# Altium PCB SDC.PcbDoc (part 1 of 3)
Units mm, origin at the board's own origin, x right, y up, seen from the top; angles counter-clockwise.
Board outline 100 x 160 mm, 4 copper layers (Top Layer, Signal Layer 1, Signal Layer 2, Bottom Layer), stack 0.778 mm thick; 295 components, 268 nets, 1347 pads, 611 vias.
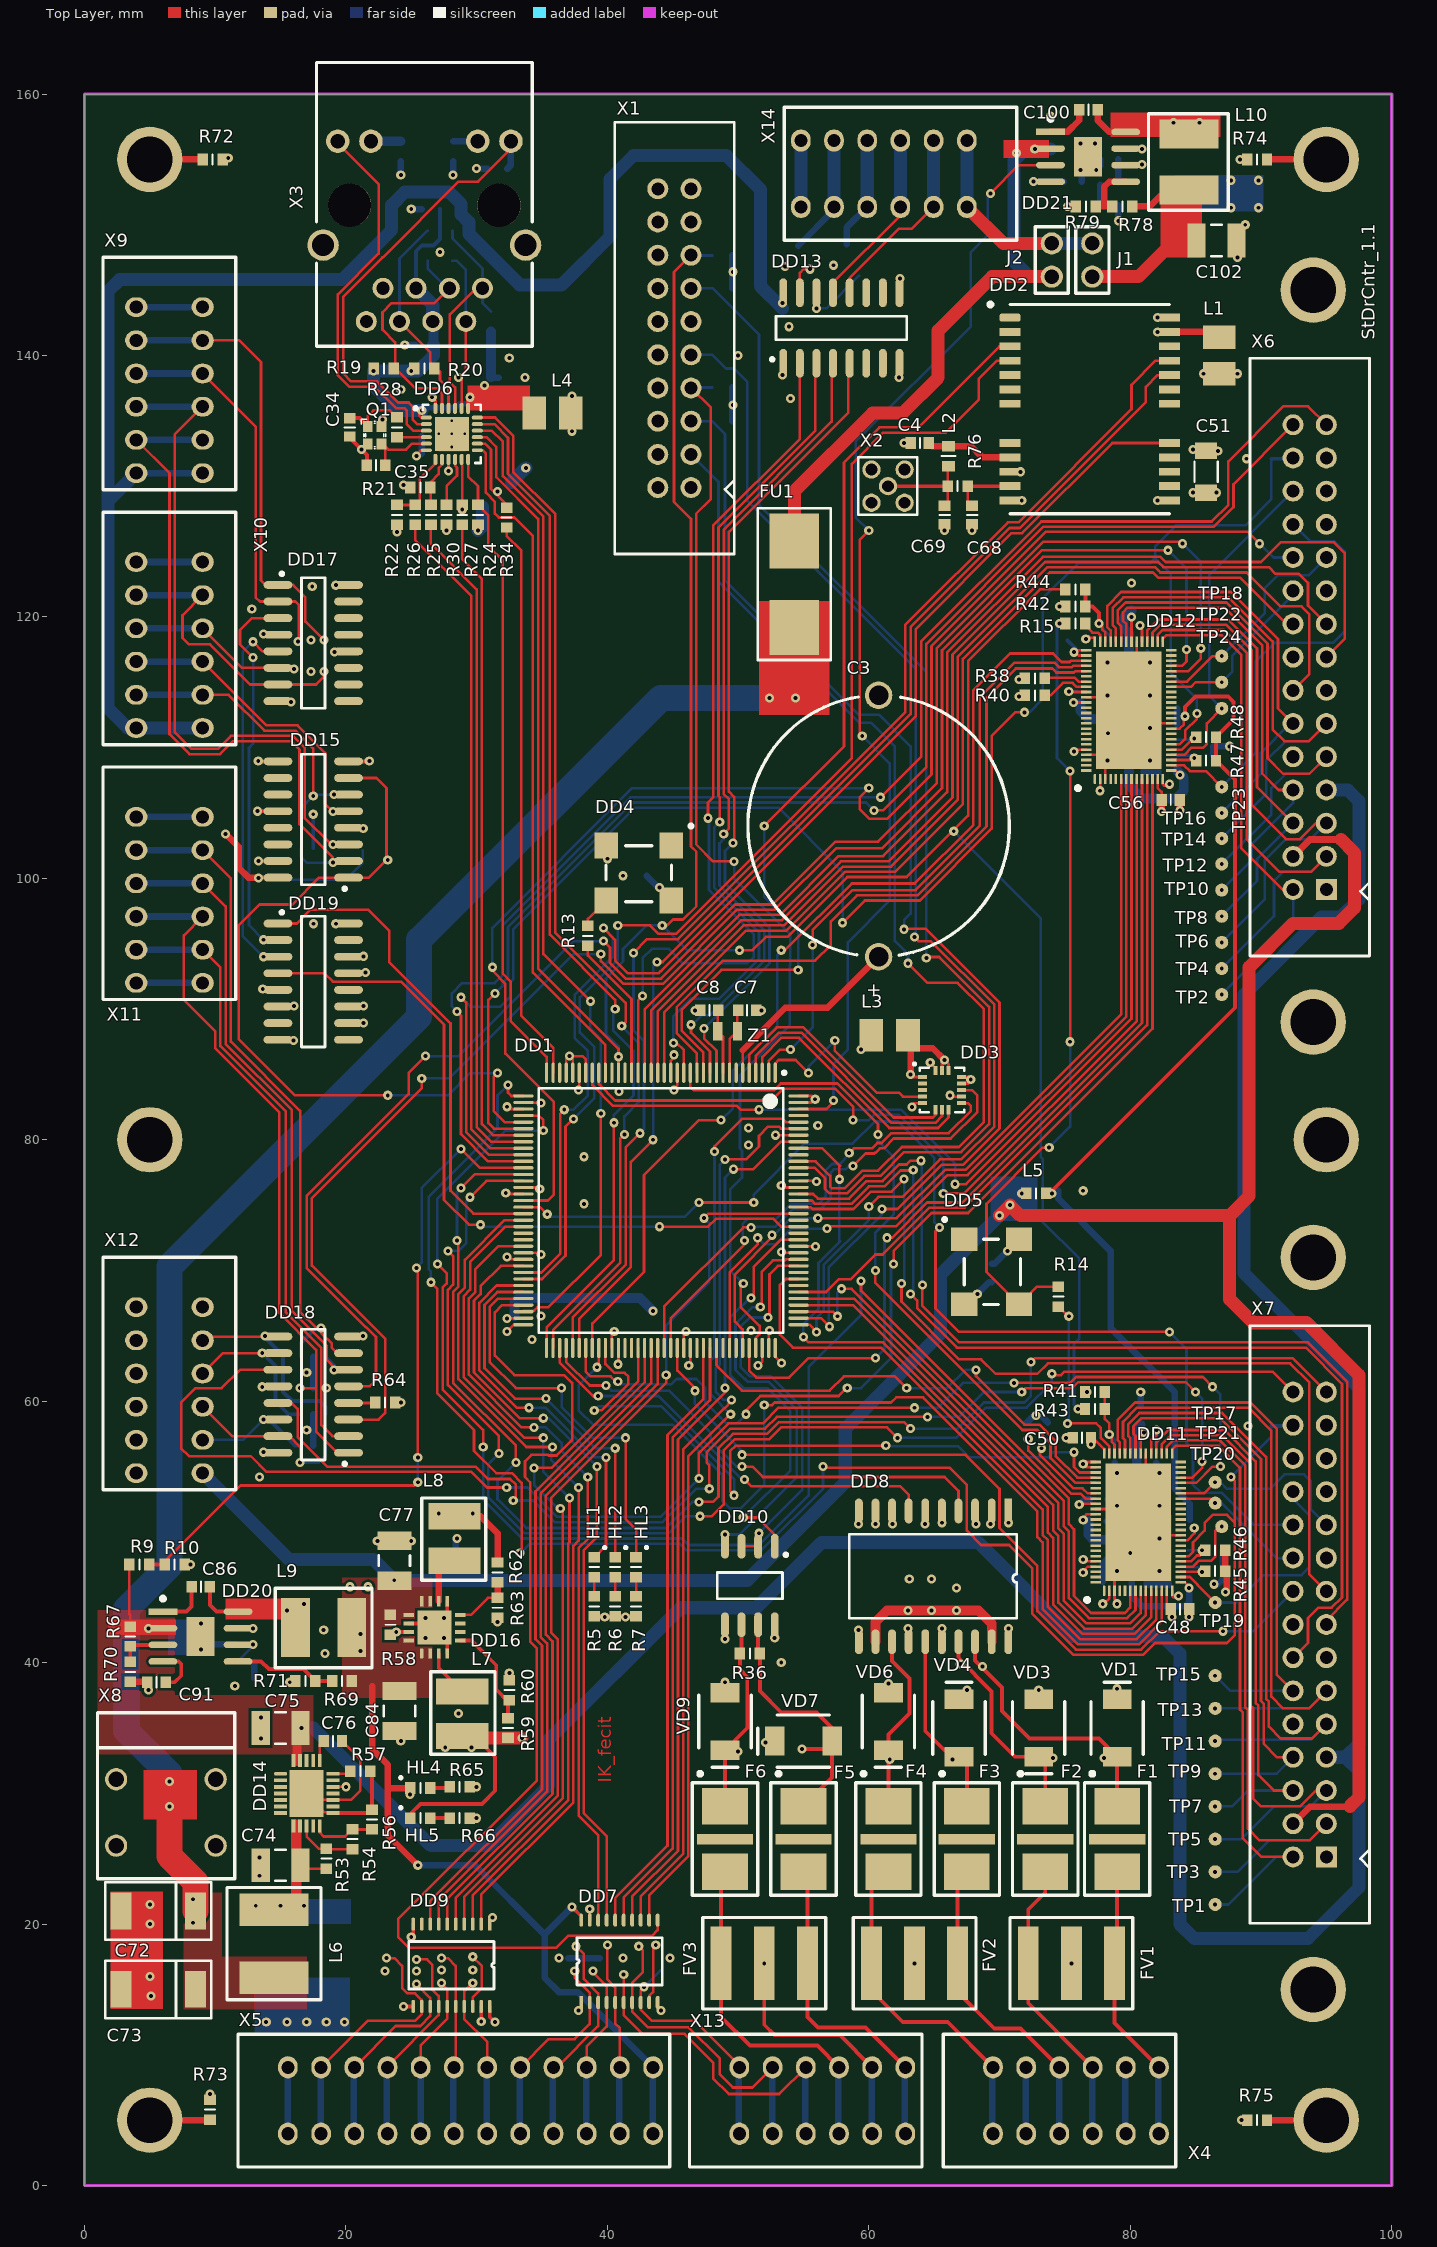
[diagram p0: Top Layer view]
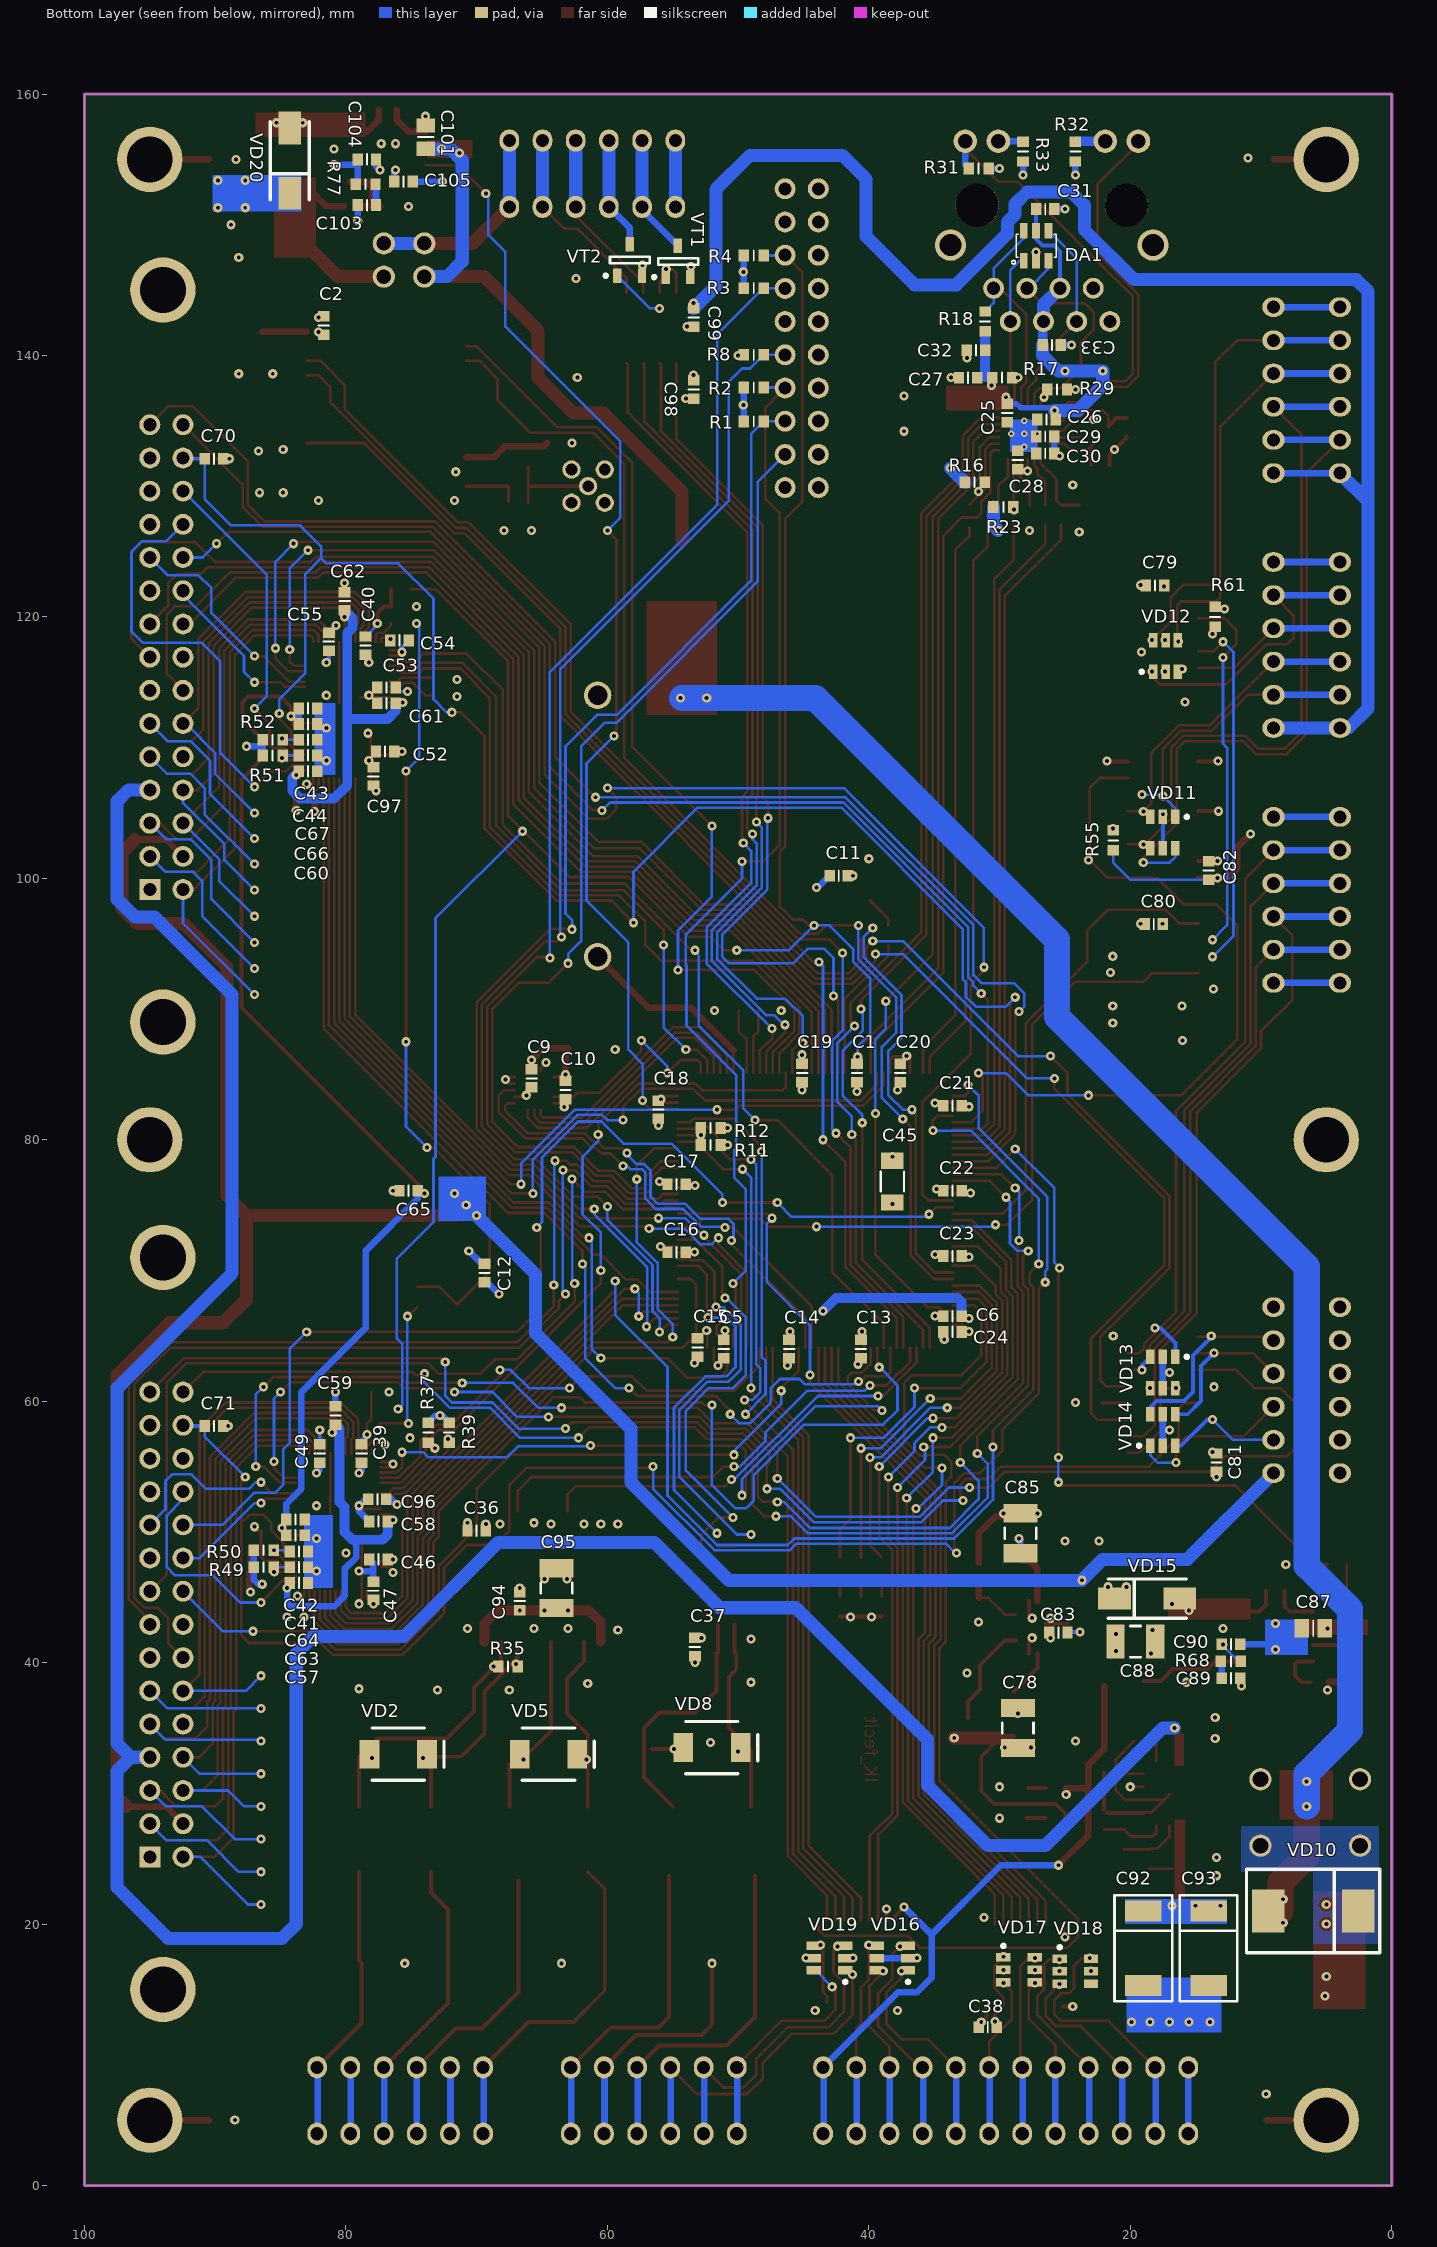
[diagram p1: Bottom Layer view, seen from below]
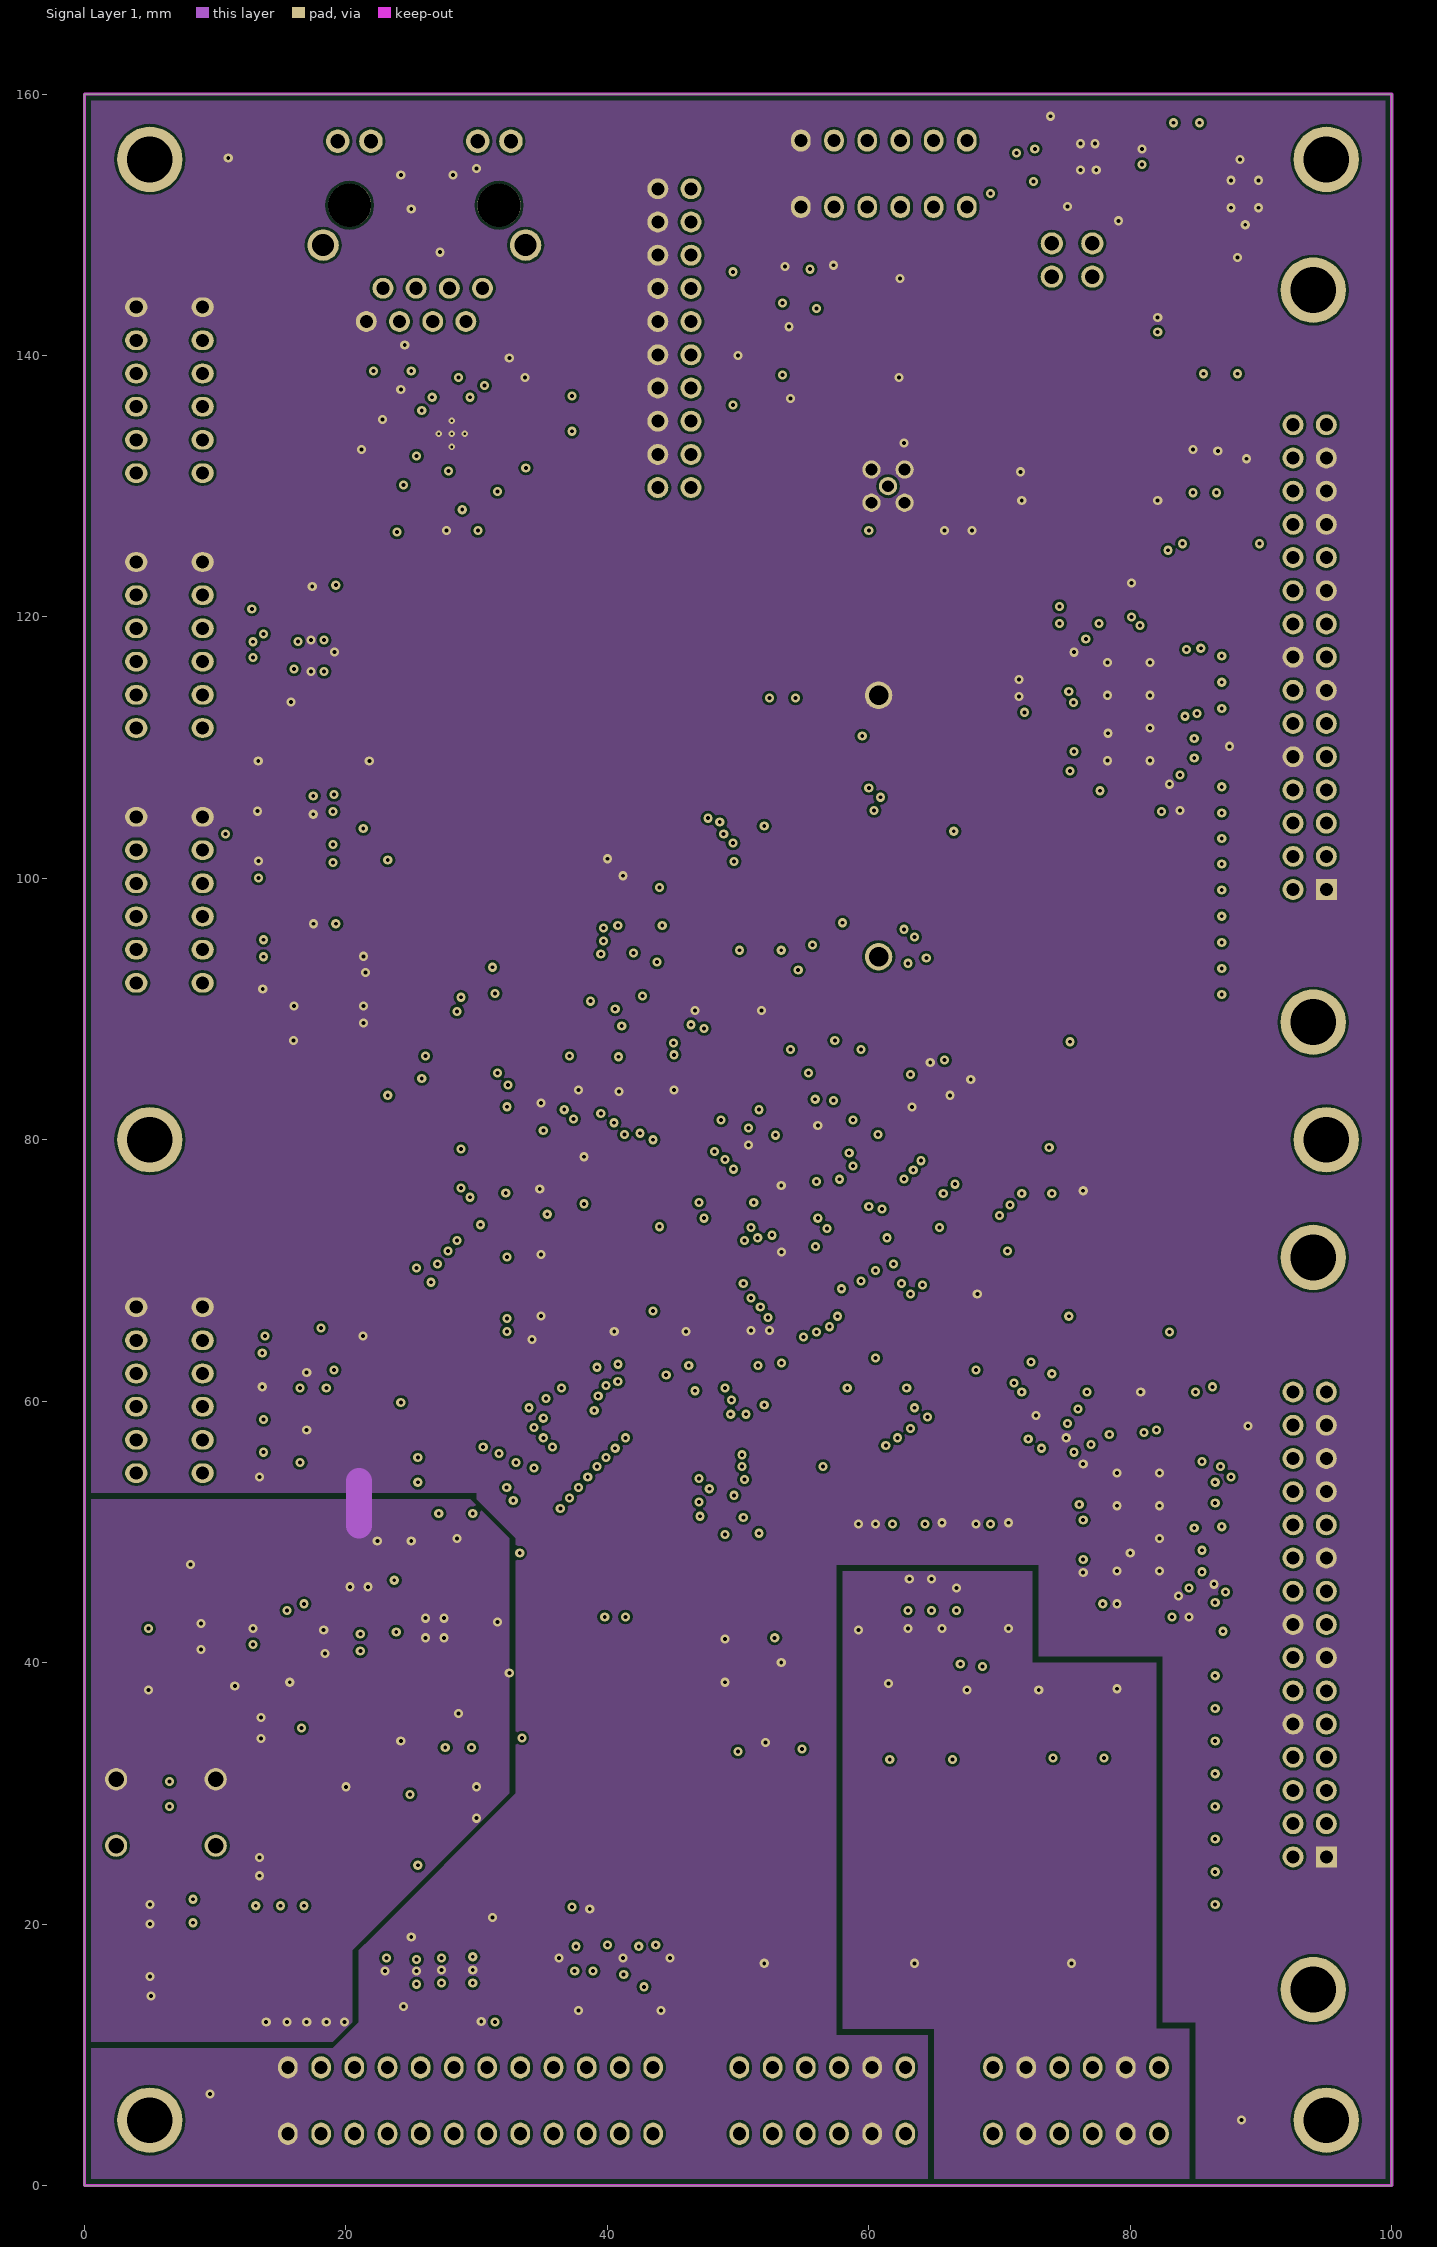
[diagram p2: Signal Layer 1]
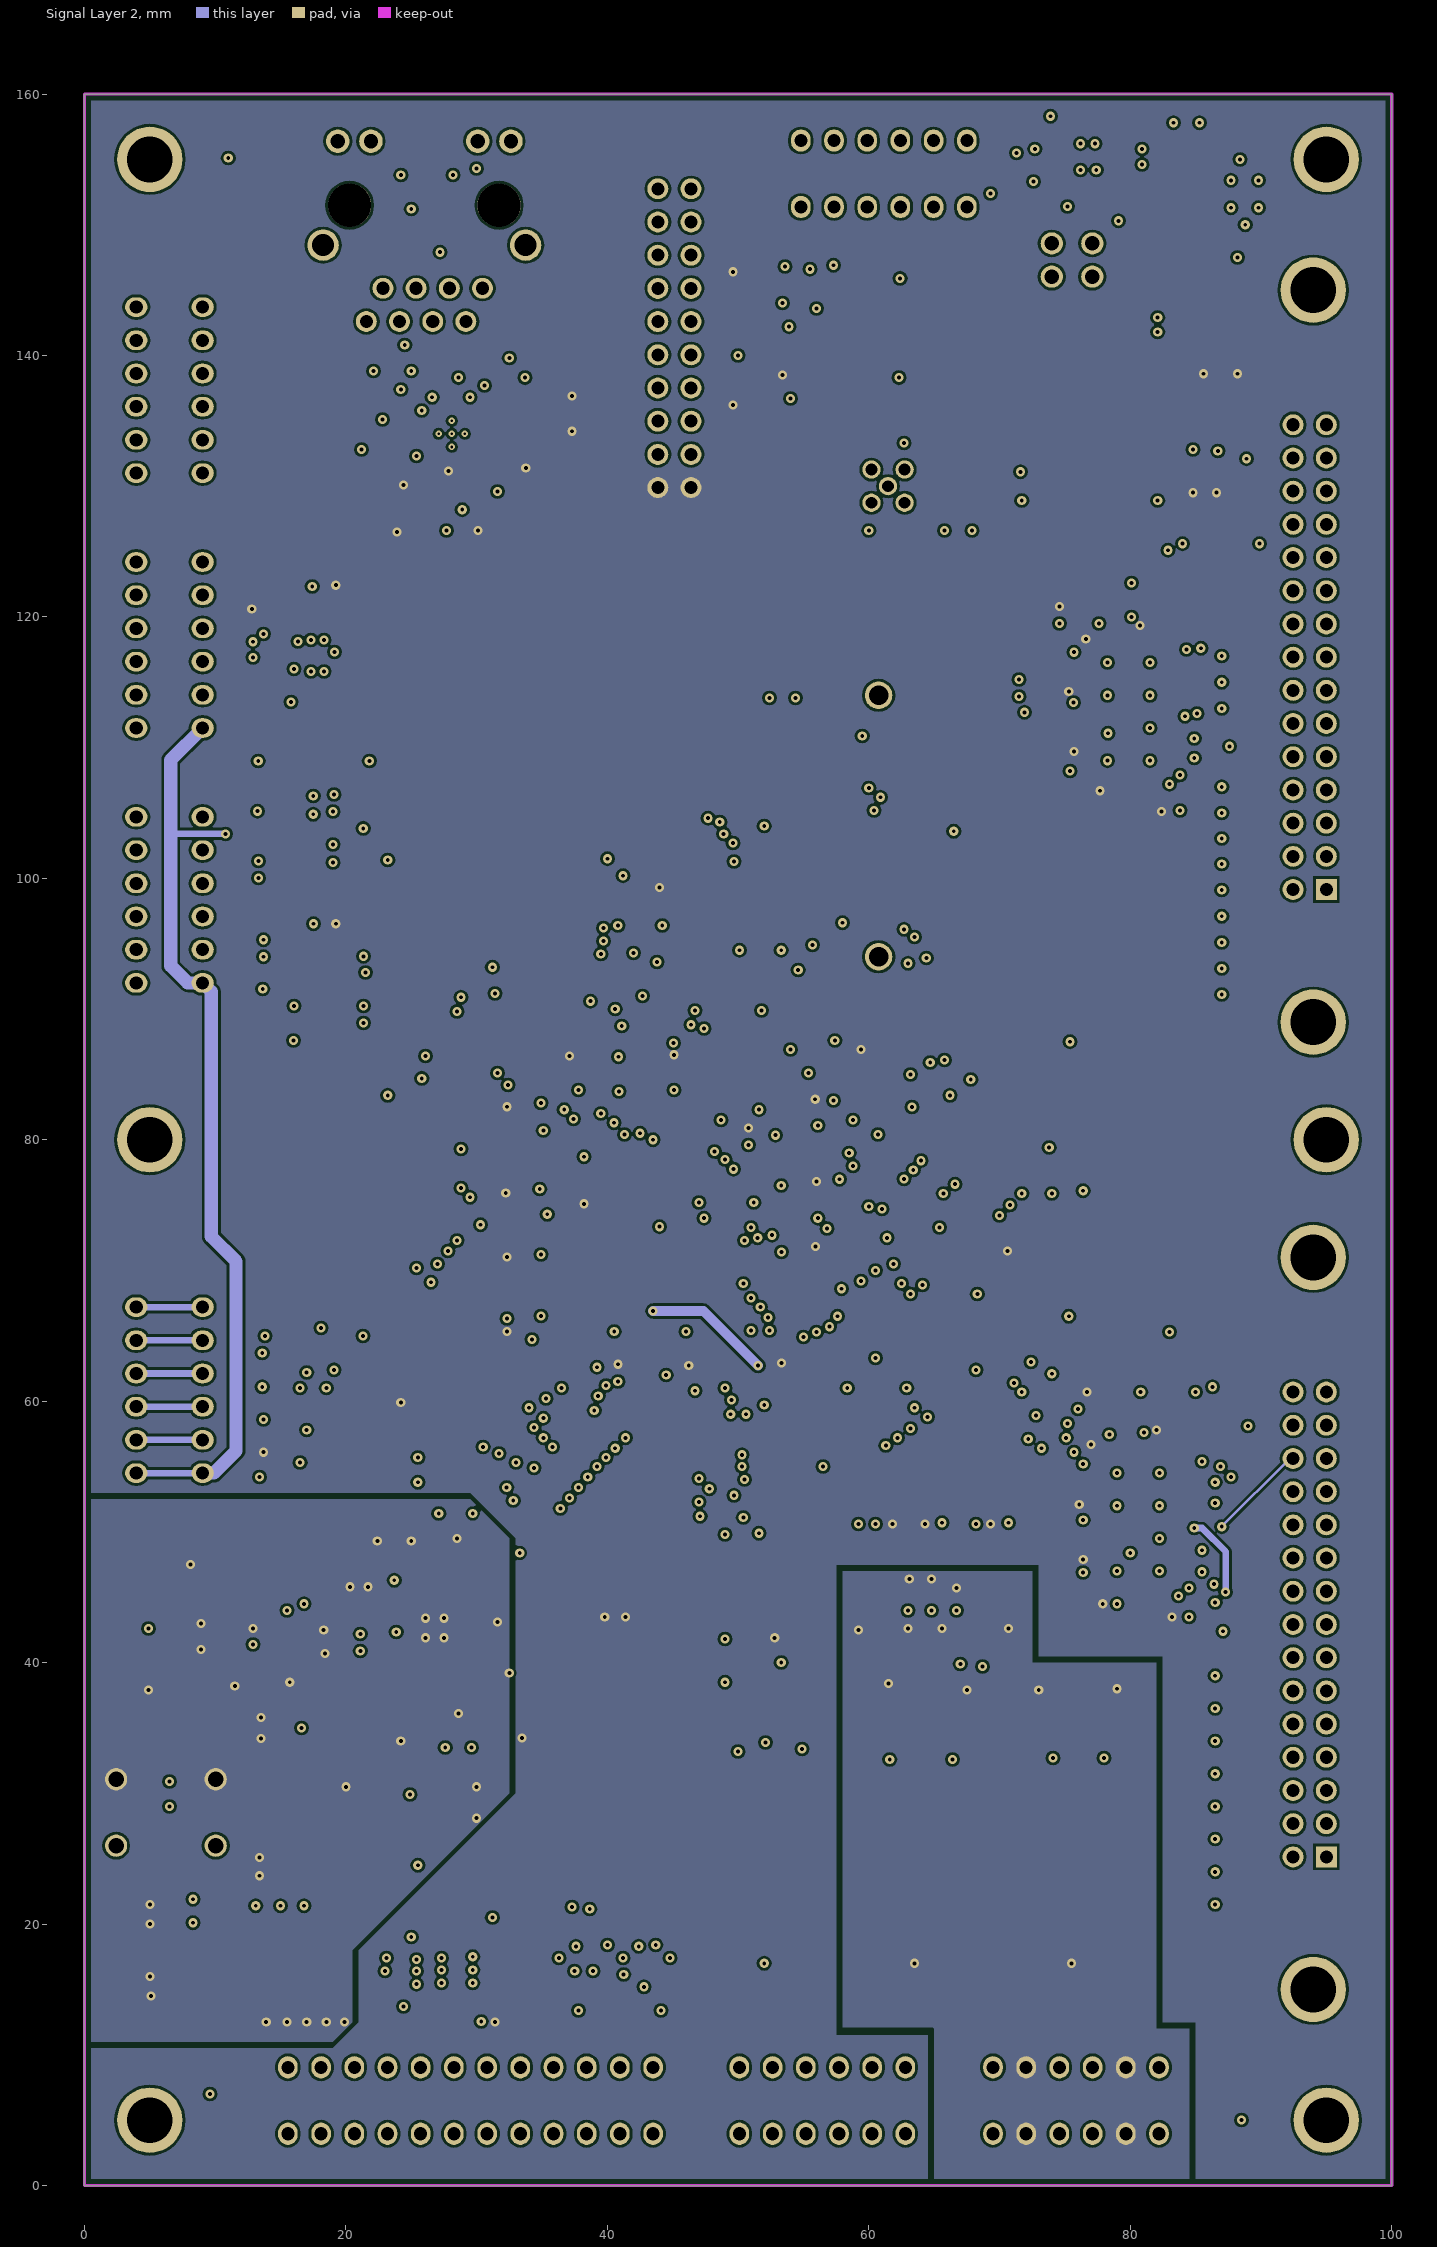
[diagram p3: Signal Layer 2]
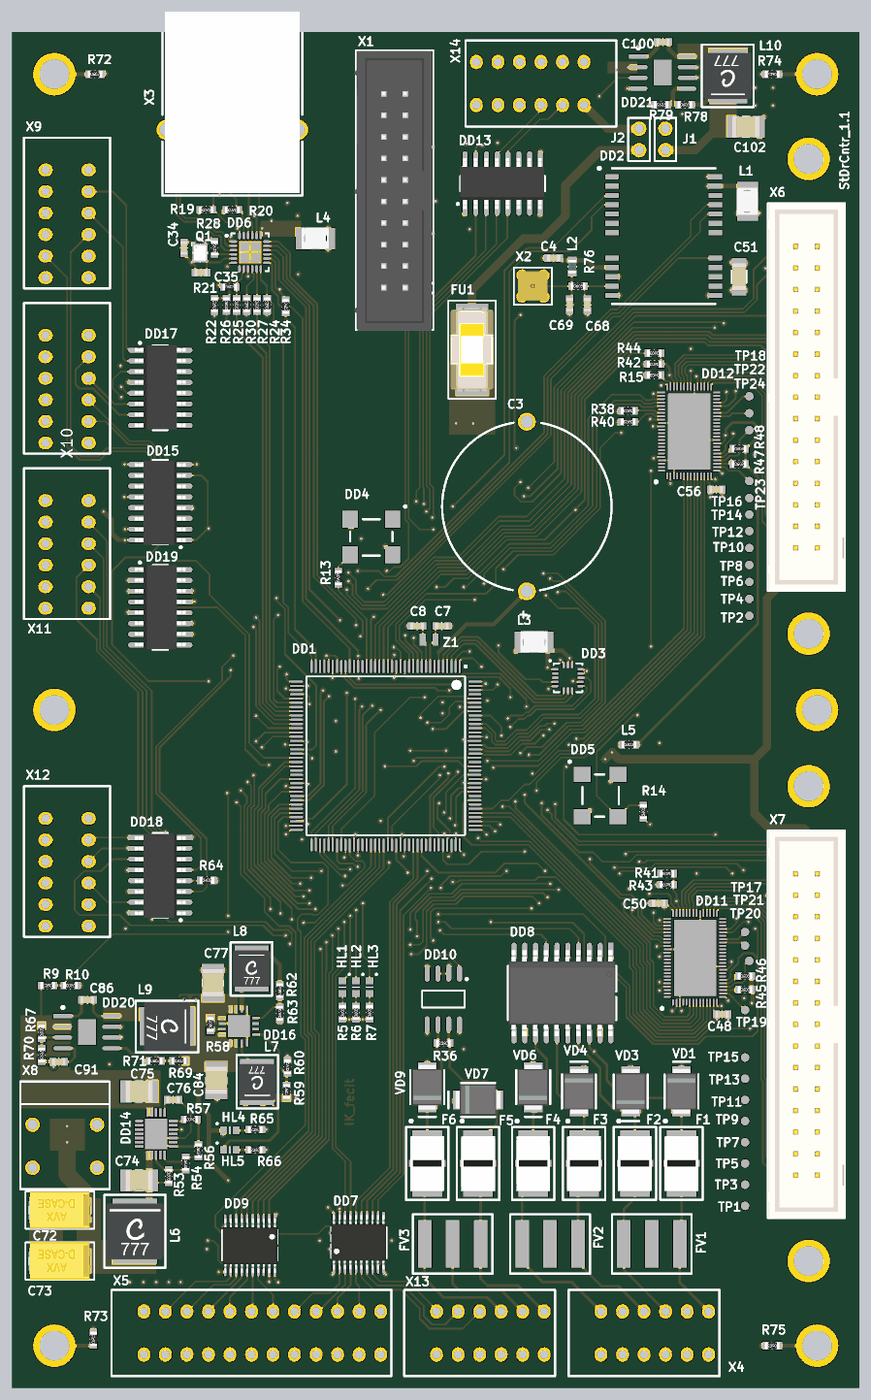
[diagram p6: 3D render of the assembled board from above, using the file's embedded part models]
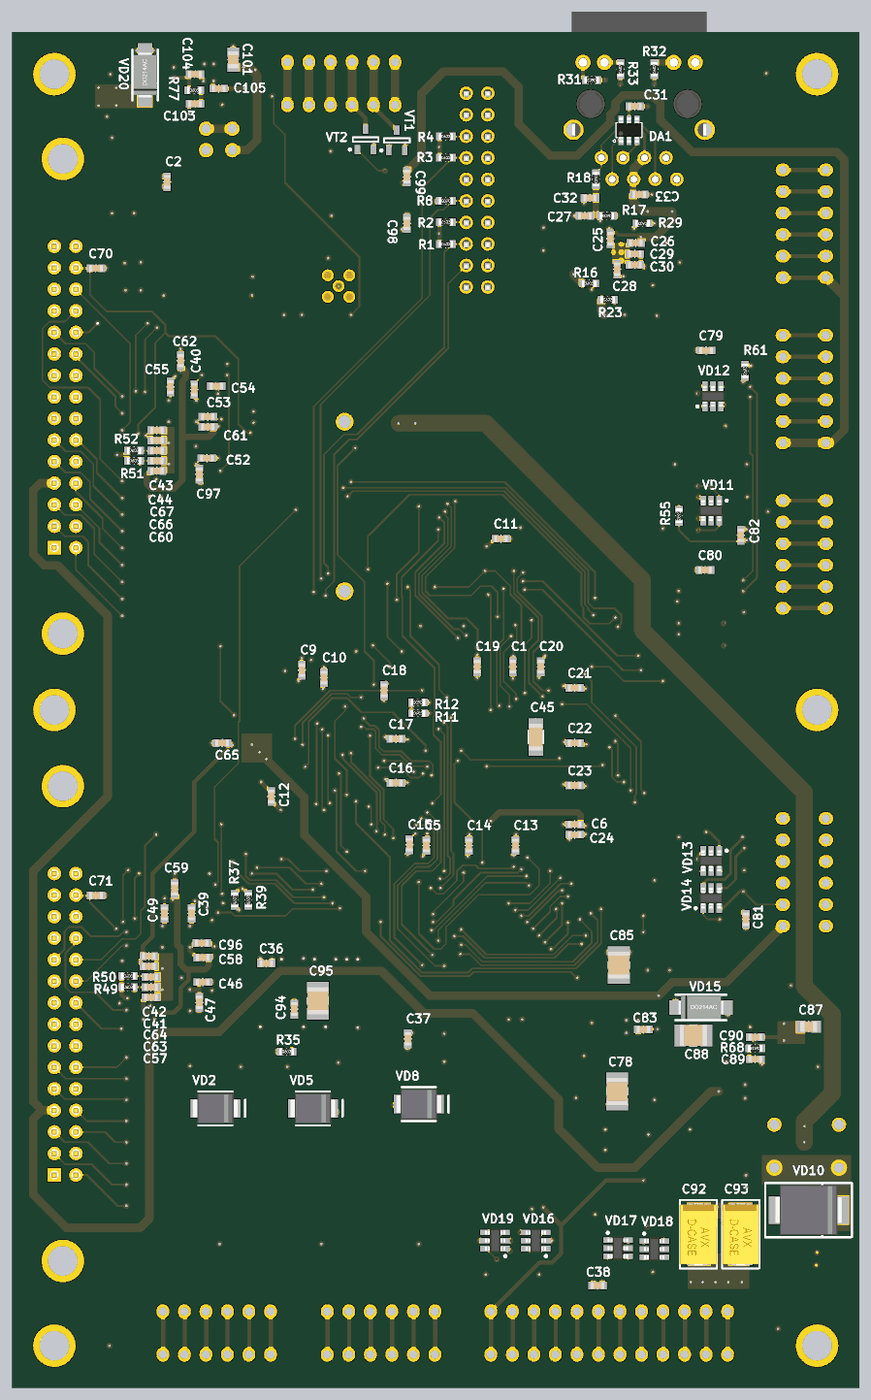
[diagram p7: 3D render of the assembled board from below, using the file's embedded part models]

## Layer stack, top to bottom
Top Solder: solder mask 0.0102, Solder Resist, Dk 3.5
Top Layer: signal copper 0.0356
Dielectric 1: core 0.254, FR-4, Dk 4.2
Signal Layer 1: signal copper 0.036
Dielectric 3: prepreg 0.127, Dk 4.2
Signal Layer 2: signal copper 0.036
Dielectric 2: core 0.254, Dk 4.2
Bottom Layer: signal copper 0.0356
Bottom Solder: solder mask 0.0102, Solder Resist, Dk 3.5

## Board outline
0,0 0,160 100,160 100,0

## Design rules (kind name [scope] priority, off if disabled: settings)
Clearance [All] p1: gap=0.2
ComponentClearance [All] p1: gap=0.1 collisioncheckmode=3 verticalgap=0.254 showdistances=FALSE
HoleSize [All] p1: absolutevalues=TRUE maxlimit=5 minlimit=0.025 maxpercent=80.000 minpercent=20.000
HoleToHoleClearance [All] p1: gap=0.1 allowstackedmicrovias=TRUE
MinimumSolderMaskSliver [All] p1: minsoldermaskwidth=0.1
PolygonConnect [All] p1: connectstyle=Direct reliefconductorwidth=0.254 reliefentries=4 polygonreliefangle="90 Angle" airgapwidth=0.254
RoomDefinition SDC_4 [InComponentClass('SDC_4')] p1: confinementstyle=ConfineIn formatcopy=TRUE lockcomponents=FALSE outline 101,130 400,130 400,153 101,153
RoomDefinition SDC_3 [InComponentClass('SDC_3')] p2: confinementstyle=ConfineIn formatcopy=TRUE lockcomponents=FALSE outline 101,79 429,79 429,129 101,129
RoomDefinition SDC_2 [InComponentClass('SDC_2')] p3: confinementstyle=ConfineIn formatcopy=TRUE lockcomponents=FALSE outline 101,41 390,41 390,78 101,78
RoomDefinition SDC_1 [InComponentClass('SDC_1')] p4: confinementstyle=ConfineIn formatcopy=TRUE lockcomponents=FALSE outline 101,2 391,2 391,40 101,40
RoutingVias [All] p1: holewidth=0.3 width=1.27 viastyle="Through Hole" minholewidth=0.2 minwidth=0.5 maxholewidth=1 maxwidth=1.27
SilkToSilkClearance [All] p1: silktosilkclearance=0.1
SilkToSolderMaskClearance [IsPad] p1: minsilkscreentomaskgap=0.01 clearancetoexposedcopper=TRUE
SolderMaskExpansion [All] p1: expansion=0.102
Width [All] p1: maxlimit=5 minlimit=0.2 preferedwidth=0.2
24 further rules are at their usual default settings.

## Classes and differential pairs
component class SDC_1: C1 C2 C3 C4 C5 C6 C7 C8 C9 C10 C11 C12 C13 C14 C15 C16 C17 C18 C19 C20 C21 C22 C23 C24 C68 C69 C98 C99 DD1 DD2 DD3 DD4 DD5 DD13 HL1 HL2 HL3 J1 J2 L1 L2 L3 R1 R2 R3 R4 R5 R6 R7 R8 R9 R10 R11 R12 R13 R14 R15 R76 VT1 VT2 X1 X2 X14 Z1
component class SDC_2: C25 C26 C27 C28 C29 C30 C31 C32 C33 C34 C35 C36 C37 C38 C94 C95 DA1 DD6 DD7 DD8 DD9 DD10 F1 F2 F3 F4 F5 F6 FV1 FV2 FV3 FV4 FV5 FV6 L4 Q1 R16 R17 R18 R19 R20 R21 R22 R23 R24 R25 R26 R27 R28 R29 R30 R31 R32 R33 R34 R35 R36 VD1 VD2 VD3 VD4 VD5 VD6 VD7 VD8 VD9 VD16 VD17 VD18 VD19 X3 X4 X5 X13
component class SDC_3: C39 C40 C41 C42 C43 C44 C45 C46 C47 C48 C49 C50 C51 C52 C53 C54 C55 C56 C57 C58 C59 C60 C61 C62 C63 C64 C65 C66 C67 C70 C71 C96 C97 DD11 DD12 L5 R37 R38 R39 R40 R41 R42 R43 R44 R45 R46 R47 R48 R49 R50 R51 R52 TP1 TP2 TP3 TP4 TP5 TP6 TP7 TP8 TP9 TP10 TP11 TP12 TP13 TP14 TP15 TP16 TP17 TP18 TP19 TP20 TP21 TP22 TP23 TP24 X6 X7
component class SDC_4: C72 C73 C74 C75 C76 C77 C78 C79 C80 C81 C82 C83 C84 C85 C86 C87 C88 C89 C90 C91 C92 C93 C100 C101 C102 C103 C104 C105 DD14 DD15 DD16 DD17 DD18 DD19 DD20 DD21 FU1 HL4 HL5 L6 L7 L8 L9 L10 R53 R54 R55 R56 R57 R58 R59 R60 R61 R62 R63 R64 R65 R66 R67 R68 R69 R70 R71 R72 R73 R74 R75 R77 R78 R79 VD10 VD11 VD12 VD13 VD14 VD15 VD20 X8 X9 X10 X11 X12
